# KiCad board jetson-nano-baseboard.kicad_pcb
date: 2024-03-26; rev: 1.6.3; company: Antmicro Ltd; note: www.antmicro.com
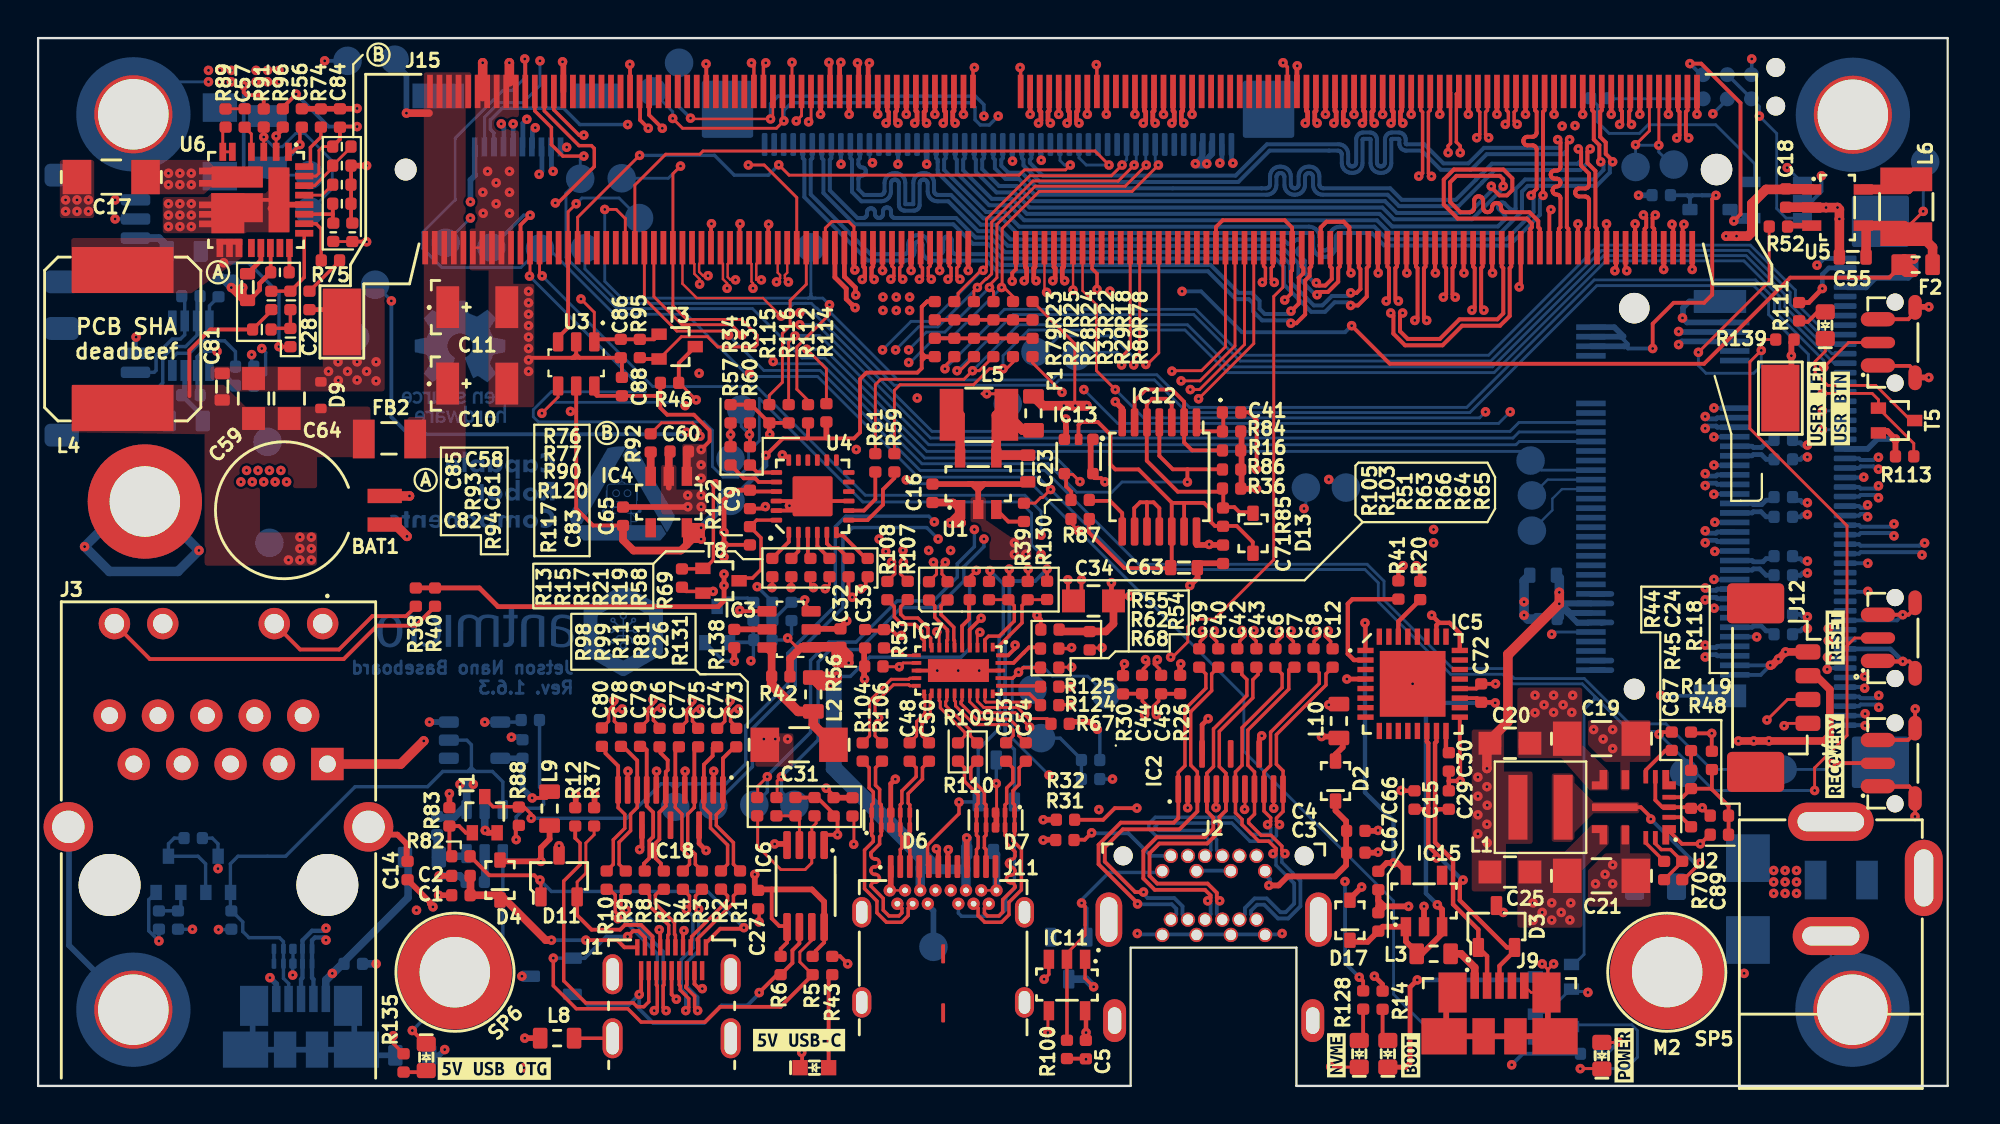
[diagram p0: board, top side]
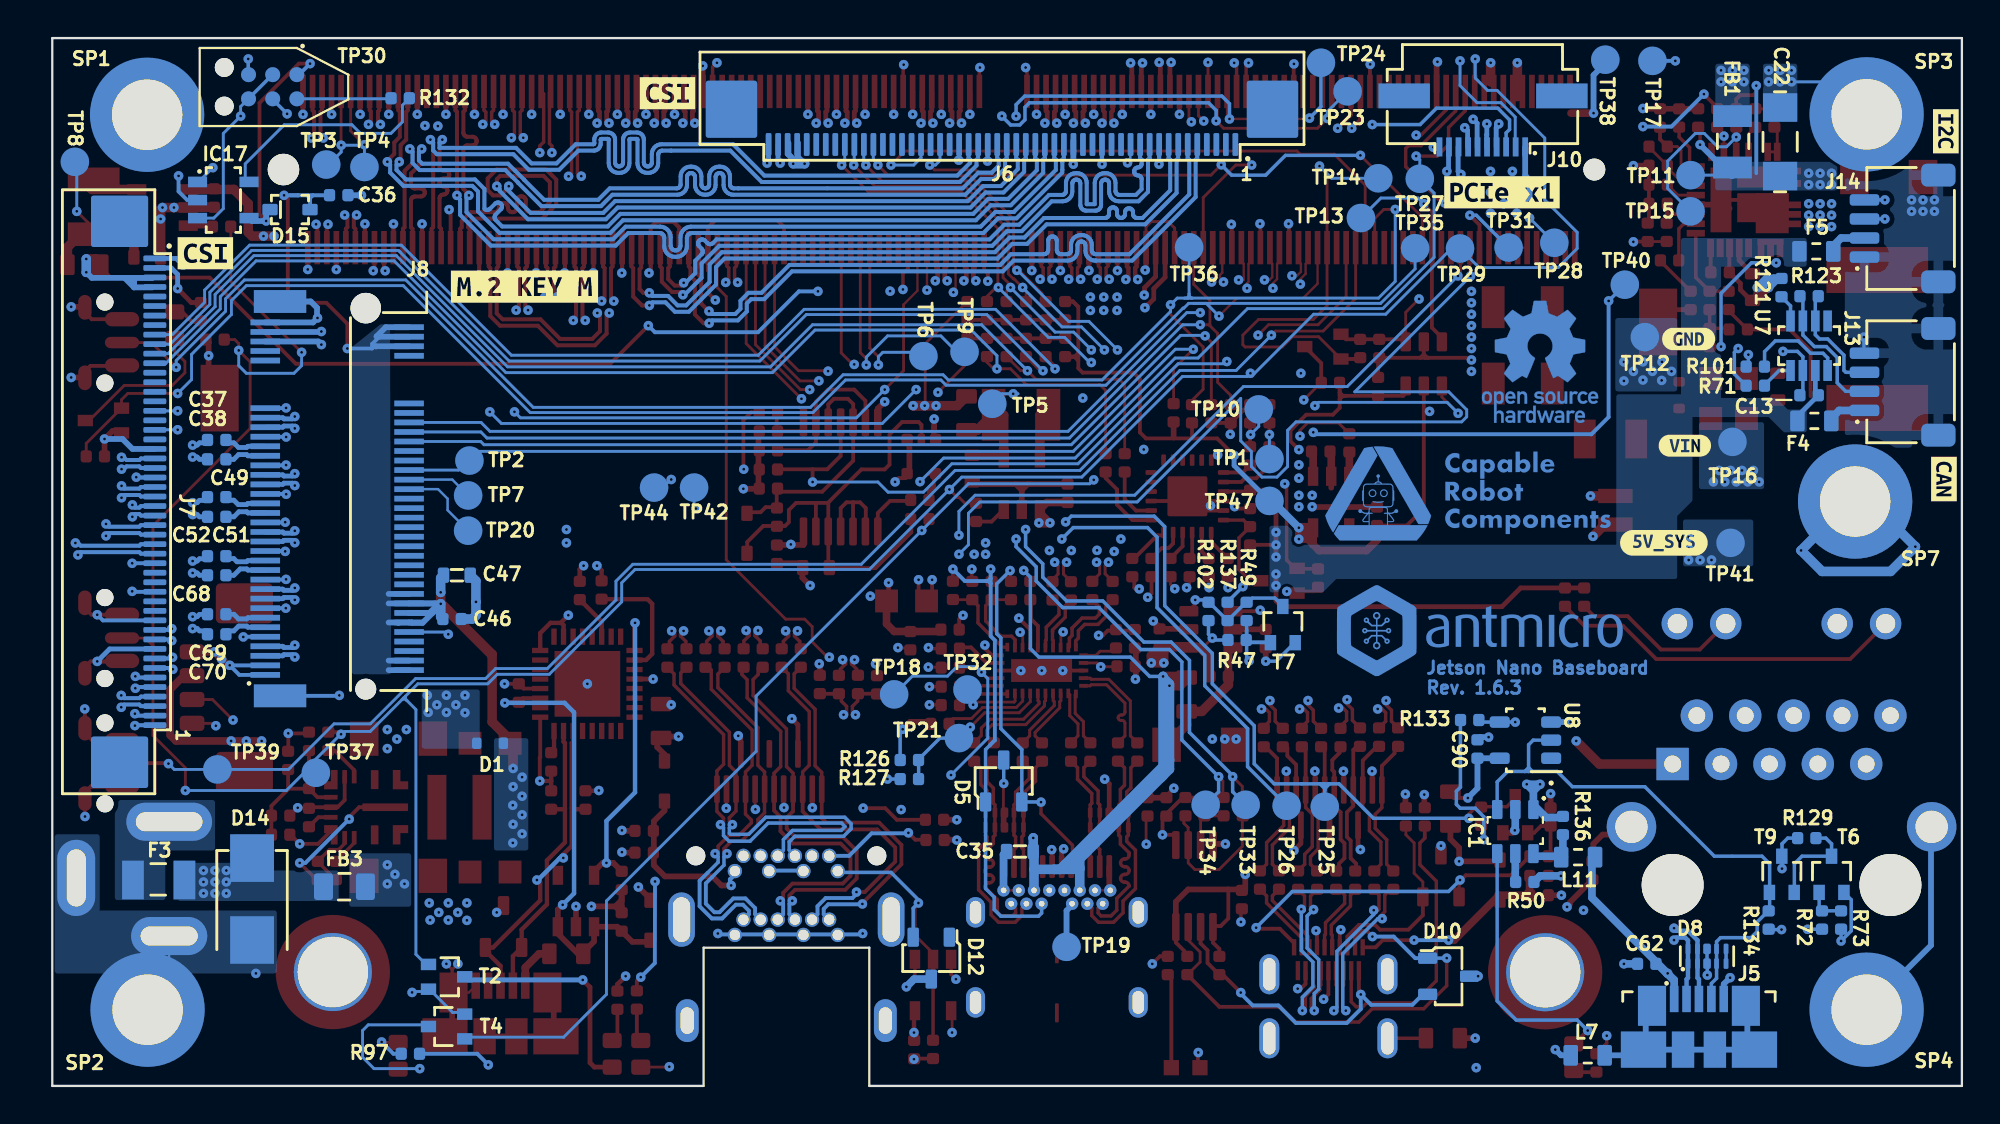
[diagram p1: board, bottom side, seen from below]

Outline 100.23 x 55 mm; copper layers: Top, In1_5V0_SYS_VIN.Cu, In2_SINGAL.Cu, In3_SIGNAL.Cu, In4_GND.Cu (plane), In5_3V3_SYS_SIGNAL.Cu, In6_GND.Cu (plane), Bottom. Coordinates in mm from the lower left corner of the outline.
Outline path: 0,55 100.23,55 100.23,0 66.04,0 66.04,7.26 57.34,7.26 57.34,0 0,0 0,55
Stack: Top 0.035mm / dielectric 0.1857mm FR4 er 4.5 / In1_5V0_SYS_VIN.Cu 0.035mm / dielectric 0.1857mm FR4 er 4.5 / In2_SINGAL.Cu 0.035mm / dielectric 0.1857mm FR4 er 4.5 / In3_SIGNAL.Cu 0.035mm / dielectric 0.1857mm FR4 er 4.5 / In4_GND.Cu 0.035mm / dielectric 0.1857mm FR4 er 4.5 / In5_3V3_SYS_SIGNAL.Cu 0.035mm / dielectric 0.1857mm FR4 er 4.5 / In6_GND.Cu 0.035mm / dielectric 0.1857mm FR4 er 4.5 / Bottom 0.035mm

## Placement (name value [footprint] x y rotation side)
BAT1  Battery_Holder_MS621FE-FL11E  [MS621FE-FL11E]  14.14 30.22 270 top
BOOT1  LED_G_0603_LG_L29K-G2J1-24-Z  [LED_0603_1608Metric_G]  70.84 1.68 90 top
C1  C_4u7_0402  [C_0402_1005Metric]  22.19 10.01 180 top
C2  C_4u7_0402  [C_0402_1005Metric]  22.19 11.02 180 top
C3  C_4u7_0402  [C_0402_1005Metric]  69.16 12.24 0 top
C4  C_4u7_0402  [C_0402_1005Metric]  69.16 13.39 0 top
C5  C_100n_0402  [C_0402_1005Metric]  54.99 1.91 270 top
C6  C_100n_0402  [C_0402_1005Metric]  64.94 22.46 270 top
C7  C_100n_0402  [C_0402_1005Metric]  65.94 22.46 270 top
C8  C_100n_0402  [C_0402_1005Metric]  66.94 22.46 270 top
C9  C_100n_0402  [C_0402_1005Metric]  37.36 30.78 270 top
C10  C_Pol_330u_6.3V_KEMET-T520-B  [C_Pol_EIA-B]  23.05 36.87 0 top
C11  C_Pol_330u_6.3V_KEMET-T520-B  [C_Pol_EIA-B]  23.05 40.88 0 top
C12  C_100n_0402  [C_0402_1005Metric]  67.94 22.46 270 top
C13  C_100n_0402  [C_0402_1005Metric]  8.02 36.25 0 bottom
C14  C_100p_0402  [C_0402_1005Metric]  19.39 11.31 270 top
C15  C_47p_0402  [C_0402_1005Metric]  72.24 15.01 90 top
C16  C_2u2_0402  [C_0402_1005Metric]  46.94 31.11 90 top
C17  C_10u_1206_50V  [C_1206_3216Metric]  3.84 47.71 180 top
C18  C_2u2_0402  [C_0402_1005Metric]  91.74 46.61 270 top
C19  C_10u_1206_50V  [C_1206_3216Metric]  82.06 18.23 180 top
C20  C_47u_0805  [C_0805_2012Metric]  77.25 17.99 0 top
C21  C_10u_1206_50V  [C_1206_3216Metric]  82.06 11.03 180 top
C22  C_10u_1206_50V  [C_1206_3216Metric]  9.54 49.56 90 bottom
C23  C_10u_0603  [C_0603_1608Metric]  51.94 32.41 270 top
C24  C_6p_0402  [C_0402_1005Metric]  86.76 18.09 270 top  (not fitted)
C25  C_10u_0805  [C_0805_2012Metric]  77.25 11.23 0 top
C26  C_100n_0402  [C_0402_1005Metric]  41.75 14.65 90 top
C27  C_100n_0402  [C_0402_1005Metric]  37.79 9.78 270 top
C28  C_270p_25V_0402  [C_0402_1005Metric]  14.24 41.23 270 top  (not fitted)
C29  C_47p_0402  [C_0402_1005Metric]  74.04 15.01 90 top
C30  C_100n_0402  [C_0402_1005Metric]  74.04 17.01 270 top
C31  C_100u_1206  [C_1206_3216Metric]  39.94 17.91 180 top
C32  C_10u_0402  [C_0402_1005Metric]  42.11 23.51 90 top
C33  C_100n_0402  [C_0402_1005Metric]  43.41 23.47 270 top
C34  C_47u_0805  [C_0805_2012Metric]  55.39 25.46 180 top
C35  C_10u_0603  [C_0603_1608Metric]  49.44 12.3 0 bottom
C36  C_100n_0402  [C_0402_1005Metric]  85.19 46.76 180 bottom
C37  C_100n_0402  [C_0402_1005Metric]  91.6 33.91 0 bottom
C38  C_100n_0402  [C_0402_1005Metric]  91.6 32.89 0 bottom
C39  C_100n_0402  [C_0402_1005Metric]  60.94 22.46 270 top
C40  C_100n_0402  [C_0402_1005Metric]  61.94 22.46 270 top
C41  C_47n_0402  [C_0402_1005Metric]  62.64 35.36 0 top
C42  C_100n_0402  [C_0402_1005Metric]  62.94 22.46 270 top
C43  C_100n_0402  [C_0402_1005Metric]  63.94 22.46 270 top
C44  C_100n_0402  [C_0402_1005Metric]  57.94 21.07 270 top
C45  C_100n_0402  [C_0402_1005Metric]  58.94 21.07 270 top
C46  C_100n_0402  [C_0402_1005Metric]  79.24 24.51 180 bottom
C47  C_10u_0603  [C_0603_1608Metric]  78.99 26.81 180 bottom
C48  C_100n_0402  [C_0402_1005Metric]  45.74 17.53 270 top
C49  C_100n_0402  [C_0402_1005Metric]  91.6 30.91 0 bottom
C50  C_100n_0402  [C_0402_1005Metric]  46.76 17.53 270 top
C51  C_100n_0402  [C_0402_1005Metric]  91.6 29.87 0 bottom
C52  C_100n_0402  [C_0402_1005Metric]  91.6 27.81 0 bottom
C53  C_100n_0402  [C_0402_1005Metric]  50.81 17.53 270 top
C54  C_100n_0402  [C_0402_1005Metric]  51.84 17.53 270 top
C55  C_10u_0603  [C_0603_1608Metric]  95.24 43.51 180 top
C56  C_100n_50V_0402  [C_0402_1005Metric]  13.84 50.81 90 top
C57  C_100n_0402  [C_0402_1005Metric]  10.84 50.81 270 top
C58  C_33n_0402  [C_0402_1005Metric]  12.69 42.71 180 top
C59  C_47u_0805  [C_0805_2012Metric]  11.31 36.08 90 top
C60  C_2u2_0402  [C_0402_1005Metric]  33.65 33.3 180 top
C61  C_1n2_50V_0402  [C_0402_1005Metric]  13.24 41.23 270 top  (not fitted)
C62  C_4u7_0402  [C_0402_1005Metric]  16.54 6.41 0 bottom
C63  C_10u_0603  [C_0603_1608Metric]  60.14 27.21 0 top
C64  C_47u_0805  [C_0805_2012Metric]  13.18 36.08 90 top
C65  C_1u_0402  [C_0402_1005Metric]  30.7 29.9 90 top
C66  C_1u_0402  [C_0402_1005Metric]  70.34 10.78 270 top
C67  C_2u2_0402  [C_0402_1005Metric]  70.34 8.61 90 top
C68  C_100n_0402  [C_0402_1005Metric]  91.6 26.8 0 bottom
C69  C_100n_0402  [C_0402_1005Metric]  91.6 24.76 0 bottom
C70  C_100n_0402  [C_0402_1005Metric]  91.6 23.71 0 bottom
C71  C_100n_0402  [C_0402_1005Metric]  62.19 27.91 270 top
C72  C_100n_0402  [C_0402_1005Metric]  75.74 20.62 90 top
C73  C_100n_0402  [C_0402_1005Metric]  36.64 18.28 270 top
C74  C_100n_0402  [C_0402_1005Metric]  35.64 18.28 270 top
C75  C_100n_0402  [C_0402_1005Metric]  34.64 18.28 270 top
C76  C_100n_0402  [C_0402_1005Metric]  32.62 18.28 270 top
C77  C_100n_0402  [C_0402_1005Metric]  33.63 18.28 270 top
C78  C_100n_0402  [C_0402_1005Metric]  30.59 18.31 270 top
C79  C_100n_0402  [C_0402_1005Metric]  31.59 18.31 270 top
C80  C_100n_0402  [C_0402_1005Metric]  29.59 18.31 270 top
C81  C_10u_0603  [C_0603_1608Metric]  9.66 36.71 90 top
C82  C_1n2_50V_0402  [C_0402_1005Metric]  11.74 39.71 180 top  (not fitted)
C83  C_100n_0402  [C_0402_1005Metric]  16.49 44.81 90 top
C84  C_1u_0402  [C_0402_1005Metric]  15.84 50.81 90 top
C85  C_4u7_0603  [C_0603_1608Metric]  10.99 41.93 270 top
C86  C_100n_0402  [C_0402_1005Metric]  30.58 38.71 270 top
C87  C_1u_0402  [C_0402_1005Metric]  86.76 14.09 90 top
C88  C_100n_0402  [C_0402_1005Metric]  30.64 36.71 90 top
C89  C_100n_0402  [C_0402_1005Metric]  86.29 11.31 90 top
C90  C_100n_0402  [C_0402_1005Metric]  25.42 17.68 90 bottom
D1  ESD5B5_0ST1G  [SOD-523_NP]  77.25 17.99 180 bottom
D2  1N4148WS  [D_SOD-323F]  68.09 16 90 top
D3  PESD2USB5UV-TR  [SOT-23-3]  76.54 8.37 90 top
D4  1N4148WS  [D_SOD-323F]  24.24 10.81 90 top
D5  PESD2USB5UV-TR  [SOT-23-3]  50.29 16.01 90 bottom
D6  TPD4E05U06QDQARQ1  [USON-10_2.5x1mm_P0.5mm]  44.75 13.96 90 top
D7  TPD4E05U06QDQARQ1  [USON-10_2.5x1mm_P0.5mm]  50.25 13.96 270 top
D8  TPD4E05U06QDQARQ1  [USON-10_2.5x1mm_P0.5mm]  13.38 6.81 90 bottom
D9  ESD5B5_0ST1G  [SOD-523_NP]  14.84 36.26 270 top
D10  PESD2USB5UV-TR  [SOT-23-3]  26.94 5.76 180 bottom
D11  PESD2USB5UV-TR  [SOT-23-3]  27.34 11.02 90 top
D12  PESD2USB5UV-TR  [SOT-23-3]  54.09 6.71 270 bottom
D13  1N4148WS  [D_SOD-323F]  63.77 29.01 270 top
D14  SMBJ33A  [D_SMB]  89.74 9.81 270 bottom
D15  1N4148WS  [D_SOD-323F]  87.75 46 180 bottom
D17  1N4148WS  [D_SOD-323F]  68.85 8.7 90 top
F1  F_1.25A_0603  [F_0603_1608Metric]  52.24 35.31 90 top
F2  F_1.25A_0603  [F_0603_1608Metric]  98.54 43.11 180 top
F3  F_12A_1206  [F_1206_3216Metric]  94.64 10.81 180 bottom
F4  F_1.25A_0603  [F_0603_1608Metric]  7.74 34.91 180 bottom
F5  F_1.25A_0603  [F_0603_1608Metric]  7.64 43.81 180 bottom
FB1  FB_10Z_10A_WE-MPSB_1206  [FB_1206_3216Metric]  12.04 49.56 270 bottom
FB2  FB_10Z_10A_WE-MPSB_1206  [FB_1206_3216Metric]  18.44 33.96 0 top
FB3  FB_180Z_3.1A_WE-MPSB_0805  [FB_0805_2012Metric]  84.89 10.46 180 bottom
IC1  NCP380LSNAJAAT1G  [SOT-23-6]  23.44 13.41 0 bottom
IC2  TPD8S009DSMR  [R-PDSO-N15]  62.59 16.53 90 top
IC3  NCP380LSNAJAAT1G  [SOT-23-6]  39.47 23.97 90 top
IC4  TPS7A0518P_SOT23-5  [SOT-23-5]  33.1 30.65 270 top
IC5  FT232R_QFN  [QFN-32-1EP_5x5mm]  72.16 21.15 0 top
IC6  PCA9517ADP  [TSSOP-8_3x3mm_P0.65mm]  40.29 10.49 270 top
IC7  HD3SS3220RNH  [WQFN-30-1EP_4.6x2.6mm_P0.4mm]  48.29 21.8 270 top
IC11  SN74LV1T125DBVR  [SOT-23-5]  54 5.3 270 top
IC12  74HC00_TSSOP  [TSSOP-14_4.4x5mm_P0.65mm]  58.85 31.97 270 top
IC13  SN74LVC1G126_SC-70  [SC-70-5]  54.61 33.05 180 top
IC15  TPS7A0518P_SOT23-5  [SOT-23-5]  72.74 9.71 90 top
IC17  AT24CS01_SOT23  [SOT-23-5]  91.25 46.5 180 bottom
IC18  TPD8S009DSMR  [R-PDSO-N15]  33.19 14.59 270 top
J1  HDMI-Micro-D_Molex_467561001  [HDMI-Micro-D_Receptacle_Molex_467651001]  33.25 3.8 0 top
J2  DisplayPort-Mini_TE_2129320-3  [DisplayPort-Mini_Receptacle_TE_2129320-3]  59 7.93 0 top
J3  -  [RJ45_Bel_SI-51005-F]  15.18 16.9 0 top
J4  -  [BarrelJack_Pin2mm_MJ-179PH]  94.09 13.87 270 top
J5  USB-Micro-B_Molex_473460001  [USB-Micro-B_Receptacle_Molex_473460001]  13.8 2.19 180 bottom
J6  Conn_FFC_WE_68715014522  [Conn_FFC_WE_68715014x22]  50.38 51.57 0 bottom
J7  Conn_FFC_WE_68715014022  [Conn_FFC_WE_68715014x22]  96.99 31.18 270 bottom
J8  Bus_M.2_MDT580M01001  [Bus_M.2_Socket_Key_M_Amphenol_MDT580M01001]  85.2 30.83 90 bottom
J9  USB-Micro-B_Molex_473460001  [USB-Micro-B_Receptacle_Molex_473460001]  76.7 2.89 0 top
J10  -  [Conn_FFC_Molex_5051101097]  25.16 51.86 0 bottom
J11  USB-C_WE_632723300011  [USB-C_Receptacle_WE_632723300011]  47.5 5.88 0 top
J12  Molex_PicoBlade_1x4_0533980471  [Conn_Molex_PicoBlade_1x4_0533980471]  91.14 20.91 270 top
J13  JST_SH_1x4_SM04B-SRSS-TB-LF-SN  [Conn_JST_SH_1x4_SM04B-SRSS-TB-LF-SN]  2.99 36.96 90 bottom
J14  JST_SH_1x4_SM04B-SRSS-TB-LF-SN  [Conn_JST_SH_1x4_SM04B-SRSS-TB-LF-SN]  2.99 45.01 90 bottom
J15  Bus_DDR4_SODIMM_CUSTOM_Jetson-Nano-H9.2mm-socket  [TE_2309413]  53.7 40.17 0 top
kibuzzard-63D93AC1  G***  [kibuzzard-63D93AC1]  92.19 43.71 180 bottom
kibuzzard-63D93AC1#2  G***  [kibuzzard-63D93AC1]  67.94 52.11 180 bottom
kibuzzard-63D93ADB  G***  [kibuzzard-63D93ADB]  24.14 46.91 180 bottom
kibuzzard-63D93AF6  G***  [kibuzzard-63D93AF6]  0.94 31.86 270 bottom
kibuzzard-63D93B6A  G***  [kibuzzard-63D93B6A]  14.54 33.61 180 bottom
kibuzzard-63D93B07  G***  [kibuzzard-63D93B07]  0.84 50.11 270 bottom
kibuzzard-63D93B47  G***  [kibuzzard-63D93B47]  14.34 39.21 180 bottom
kibuzzard-63D93B77  G***  [kibuzzard-63D93B77]  15.64 28.51 180 bottom
kibuzzard-63D93BB4  G***  [kibuzzard-63D93BB4]  75.44 41.96 180 bottom
kibuzzard-63D93C4B  G***  [kibuzzard-63D93C4B]  39.94 2.41 0 top
kibuzzard-63D93C7A  G***  [kibuzzard-63D93C7A]  68.14 1.61 90 top
kibuzzard-63D93C36  G***  [kibuzzard-63D93C36]  23.94 0.91 0 top
kibuzzard-63D93C97  G***  [kibuzzard-63D93C97]  72.04 1.61 90 top
kibuzzard-63D93CC5  G***  [kibuzzard-63D93CC5]  83.24 1.61 90 top
kibuzzard-63D93CF4  G***  [kibuzzard-63D93CF4]  93.34 35.81 90 top
kibuzzard-63D93D1C  G***  [kibuzzard-63D93D1C]  94.32 23.53 90 top
kibuzzard-63D93D10  G***  [kibuzzard-63D93D10]  94.59 35.56 90 top
kibuzzard-63D93D33  G***  [kibuzzard-63D93D33]  94.3 17.31 90 top
L1  L_2u2_8A_Coilcraft-XFL4020  [L_Coilcraft-XFL4020]  78.86 14.63 180 top
L2  FB_120Z_3A_Murata-BLM18SG_0603  [FB_0603_1608Metric]  40.69 20.55 90 top
L3  FB_120Z_3A_Murata-BLM18SG_0603  [FB_0603_1608Metric]  73.25 6.93 0 top
L4  L_3u3_9.2A_Vishay-IHLP-3232DZ-01  [L_Vishay-IHLP3232DZ]  4.44 39.21 270 top
L5  L_2u2_1.6A_1210  [L_1210_3225Metric]  49.38 35.23 0 top
L6  L_2u2_1.6A_1210  [L_1210_3225Metric]  98.05 46.15 270 top
L7  FB_120Z_3A_Murata-BLM18SG_0603  [FB_0603_1608Metric]  19.64 1.61 0 bottom
L8  FB_120Z_3A_Murata-BLM18SG_0603  [FB_0603_1608Metric]  27.24 2.51 0 top
L9  FB_120Z_3A_Murata-BLM18SG_0603  [FB_0603_1608Metric]  26.84 14.55 270 top
L10  FB_120Z_3A_Murata-BLM18SG_0603  [FB_0603_1608Metric]  68.27 19.15 270 top
L11  FB_120Z_3A_Murata-BLM18SG_0603  [FB_0603_1608Metric]  20.14 12.01 180 bottom
LED1  LED_G_0603_LG_L29K-G2J1-24-Z  [LED_0603_1608Metric_G#2]  40.74 0.96 180 top
LED2  LED_G_0603_LG_L29K-G2J1-24-Z  [LED_0603_1608Metric_G]  20.37 1.51 270 top
M2  Jetson-Nano  [Module_Jetson-Nano]  85.48 5.97 0 top
N1  antmicro_logo  [antmicro-logo]  24.85 23.83 180 bottom
N2  oshw_logo  [oshw-logo]  22.14 38.01 180 bottom
N3  crc_logo  [CRC_logo_15mm]  26.04 31.11 180 bottom
NVME1  LED_G_0603_LG_L29K-G2J1-24-Z  [LED_0603_1608Metric_G]  69.34 1.68 90 top
PWR1  LED_G_0603_LG_L29K-G2J1-24-Z  [LED_0603_1608Metric_G]  82.07 1.58 90 top
R1  R_5R6_0402  [R_0402_1005Metric]  36.84 10.81 270 top
R2  R_5R6_0402  [R_0402_1005Metric]  35.84 10.81 270 top
R3  R_5R6_0402  [R_0402_1005Metric]  34.84 10.8 270 top
R4  R_5R6_0402  [R_0402_1005Metric]  33.84 10.8 270 top
R5  R_2k_0402  [R_0402_1005Metric]  40.65 6.32 270 top
R6  R_2k_0402  [R_0402_1005Metric]  38.97 6.32 270 top
R7  R_5R6_0402  [R_0402_1005Metric]  32.84 10.8 270 top
R8  R_5R6_0402  [R_0402_1005Metric]  31.84 10.8 270 top
R9  R_5R6_0402  [R_0402_1005Metric]  30.84 10.8 270 top
R10  R_5R6_0402  [R_0402_1005Metric]  29.84 10.8 270 top
R11  R_2k_0402  [R_0402_1005Metric]  39.75 14.66 270 top
R12  R_0R_0402  [R_0402_1005Metric]  28.19 14.12 90 top  (not fitted)
R13  R_0R_0402  [R_0402_1005Metric]  38.54 27.21 270 top
R14  R_470R_0402  [R_0402_1005Metric]  70.57 4.5 270 top
R15  R_0R_0402  [R_0402_1005Metric]  39.54 27.21 270 top
R16  R_1k_0402  [R_0402_1005Metric]  62.64 33.36 180 top
R17  R_0R_0402  [R_0402_1005Metric]  40.54 27.21 270 top
R18  R_2k_0402  [R_0402_1005Metric]  51.17 40.69 90 top
R19  R_0R_0402  [R_0402_1005Metric]  42.54 27.21 270 top
R20  R_22R_0402  [R_0402_1005Metric]  72.54 26.01 270 top
R21  R_0R_0402  [R_0402_1005Metric]  41.54 27.21 270 top
R22  R_2k_0402  [R_0402_1005Metric]  50.14 40.69 90 top
R23  R_0R_0402  [R_0402_1005Metric]  47.06 40.69 270 top
R24  R_2k_0402  [R_0402_1005Metric]  49.12 40.69 90 top
R25  R_2k_0402  [R_0402_1005Metric]  48.09 40.69 90 top
R26  R_100k_0402  [R_0402_1005Metric]  59.94 21.07 90 top
R27  R_2k_0402  [R_0402_1005Metric]  48.09 38.76 270 top
R28  R_2k_0402  [R_0402_1005Metric]  49.12 38.76 270 top
R29  R_2k_0402  [R_0402_1005Metric]  51.17 38.76 270 top
R30  R_100k_0402  [R_0402_1005Metric]  56.94 21.05 90 top
R31  R_1M_0402  [R_0402_1005Metric]  53.89 12.91 180 top
R32  R_1M_0402  [R_0402_1005Metric]  53.92 13.97 180 top
R33  R_2k_0402  [R_0402_1005Metric]  50.14 38.76 270 top
R34  R_2k_0402  [R_0402_1005Metric]  36.34 35.28 270 top
R35  R_2k_0402  [R_0402_1005Metric]  37.36 35.28 270 top
R36  R_1k_0402  [R_0402_1005Metric]  62.64 31.36 180 top
R37  R_2k_0402  [R_0402_1005Metric]  29.18 14.12 90 top  (not fitted)
R38  R_220R_0402  [R_0402_1005Metric]  19.82 25.66 270 top
R39  R_10k_0402  [R_0402_1005Metric]  51.74 30.11 270 top
R40  R_220R_0402  [R_0402_1005Metric]  20.83 25.66 270 top
R41  R_22R_0402  [R_0402_1005Metric]  71.4 26.03 270 top
R42  R_0R_0402  [R_0402_1005Metric]  38.98 21.5 180 top  (not fitted)
R43  R_470R_0402  [R_0402_1005Metric]  41.68 6.32 270 top
R44  R_10k_0402  [R_0402_1005Metric]  85.74 18.09 270 top
R45  R_1k_0402  [R_0402_1005Metric]  86.76 16.09 270 top  (not fitted)
R46  R_10k_0402  [R_0402_1005Metric]  33.14 36.91 0 top
R47  R_100k_0402  [R_0402_1005Metric]  38.04 23.41 180 bottom
R48  R_0R_0402  [R_0402_1005Metric]  88.24 13.19 0 top
R49  R_0R_0402  [R_0402_1005Metric]  37.54 24.91 90 bottom
R50  R_10k_0402  [R_0402_1005Metric]  22.94 10.71 180 bottom
R51  R_909k_0402  [R_0402_1005Metric]  48.89 26 90 top
R52  R_10k_0402  [R_0402_1005Metric]  91.34 45.11 0 top
R53  R_200k_0402  [R_0402_1005Metric]  44.4 23.47 270 top
R54  R_10k_0402  [R_0402_1005Metric]  55.19 23.37 270 top  (not fitted)
R55  R_2k_0402  [R_0402_1005Metric]  53.11 23.95 180 top
R56  R_0R_0402  [R_0402_1005Metric]  43.86 22.02 0 top
R57  R_0R_0402  [R_0402_1005Metric]  36.34 33.07 270 top
R58  R_0R_0402  [R_0402_1005Metric]  43.54 27.21 270 top
R59  R_0R_0402  [R_0402_1005Metric]  44.94 32.71 90 top
R60  R_0R_0402  [R_0402_1005Metric]  37.36 33.07 270 top
R61  R_0R_0402  [R_0402_1005Metric]  43.94 32.71 90 top
R62  R_0R_0402  [R_0402_1005Metric]  53.09 22.96 180 top
R63  R_0R_0402  [R_0402_1005Metric]  49.91 26 90 top
R64  R_0R_0402  [R_0402_1005Metric]  51.94 26 90 top  (not fitted)
R65  R_0R_0402  [R_0402_1005Metric]  52.96 26.01 90 top
R66  R_0R_0402  [R_0402_1005Metric]  50.92 26 90 top  (not fitted)
R67  R_200k_0402  [R_0402_1005Metric]  53.64 19.01 180 top
R68  R_0R_0402  [R_0402_1005Metric]  53.09 21.96 180 top  (not fitted)
R69  R_100k_0402  [R_0402_1005Metric]  33.79 26.66 270 top
R70  R_100R_0402  [R_0402_1005Metric]  85.34 11.31 270 top
R71  R_0R_0402  [R_0402_1005Metric]  10.84 36.76 180 bottom
R72  R_10k_0402  [R_0402_1005Metric]  7.34 8.71 270 bottom
R73  R_2k_0402  [R_0402_1005Metric]  6.34 8.71 270 bottom
R74  R_2k_0402  [R_0402_1005Metric]  14.84 50.81 90 top
R75  R_316k_0402  [R_0402_1005Metric]  15.34 43.33 0 top  (not fitted)
R76  R_0R_0402  [R_0402_1005Metric]  15.94 49.31 0 top
R77  R_60k4_0402  [R_0402_1005Metric]  15.94 48.31 0 top  (not fitted)
R78  R_0R_0402  [R_0402_1005Metric]  52.19 40.69 270 top
R79  R_0R_0402  [R_0402_1005Metric]  47.06 38.76 90 top  (not fitted)
R80  R_0R_0402  [R_0402_1005Metric]  52.19 38.76 90 top
R81  R_2k_0402  [R_0402_1005Metric]  40.75 14.66 270 top
R82  R_0R_0402  [R_0402_1005Metric]  22.19 12.06 0 top
R83  R_2k_0402  [R_0402_1005Metric]  21.59 14.12 90 top
R84  R_200k_0402  [R_0402_1005Metric]  62.64 34.36 180 top
R85  R_470k_0402  [R_0402_1005Metric]  62.19 29.86 270 top
R86  R_200k_0402  [R_0402_1005Metric]  62.64 32.36 180 top
R87  R_1k_0402  [R_0402_1005Metric]  54.69 29.76 0 top  (not fitted)
R88  R_2k_0402  [R_0402_1005Metric]  25.23 14.16 90 top
R89  R_3R3_0402  [R_0402_1005Metric]  9.84 50.81 270 top
R90  R_26k7_0402  [R_0402_1005Metric]  15.94 47.31 0 top
R91  R_100k_0402  [R_0402_1005Metric]  11.84 50.81 90 top
R92  R_0R_0402  [R_0402_1005Metric]  32.15 33.75 270 top
R93  R_0R_0402  [R_0402_1005Metric]  12.24 41.23 270 top
R94  R_8k66_0402  [R_0402_1005Metric]  13.24 39.28 90 top  (not fitted)
R95  R_10k_0402  [R_0402_1005Metric]  31.58 38.71 270 top
R96  R_100k_0402  [R_0402_1005Metric]  12.84 50.81 90 top
R97  R_470R_0402  [R_0402_1005Metric]  81.43 1.69 0 bottom
R98  R_0R_0402  [R_0402_1005Metric]  37.74 14.66 270 top
R99  R_0R_0402  [R_0402_1005Metric]  38.75 14.66 270 top
R100  R_100k_0402  [R_0402_1005Metric]  54 1.92 270 top
R101  R_0R_0402  [R_0402_1005Metric]  10.84 37.76 180 bottom
R102  R_100k_0402  [R_0402_1005Metric]  39.54 24.91 90 bottom
R103  R_0R_0402  [R_0402_1005Metric]  47.73 25.99 270 top
R104  R_0R_0402  [R_0402_1005Metric]  43.28 17.53 270 top
R105  R_0R_0402  [R_0402_1005Metric]  46.76 25.98 270 top
R106  R_0R_0402  [R_0402_1005Metric]  44.29 17.53 270 top
R107  R_0R_0402  [R_0402_1005Metric]  45.64 26.01 270 top
R108  R_0R_0402  [R_0402_1005Metric]  44.57 26 270 top
R109  R_0R_0402  [R_0402_1005Metric]  48.28 17.53 270 top
R110  R_0R_0402  [R_0402_1005Metric]  49.29 17.53 270 top
R111  R_470R_0402  [R_0402_1005Metric]  92.43 40.64 270 top
R112  R_100k_0402  [R_0402_1005Metric]  40.41 35.28 90 top
R113  R_100k_0402  [R_0402_1005Metric]  97.96 33.05 0 top
R114  R_10k_0402  [R_0402_1005Metric]  41.37 35.33 90 top
R115  R_10k_0402  [R_0402_1005Metric]  38.38 35.28 90 top
R116  R_10k_0402  [R_0402_1005Metric]  39.39 35.28 90 top
R117  R_52k3_0402  [R_0402_1005Metric]  15.49 44.81 90 top
R118  R_100k_0402  [R_0402_1005Metric]  87.85 17.09 270 top  (not fitted)
R119  R_44k2_0402  [R_0402_1005Metric]  88.24 14.19 180 top  (not fitted)
R120  R_10k_0402  [R_0402_1005Metric]  15.94 46.31 0 top
R121  R_0R_0402  [R_0402_1005Metric]  9.47 41.9 90 bottom
R122  R_10k_0402  [R_0402_1005Metric]  37.36 28.88 90 top
R123  R_120R_0402  [R_0402_1005Metric]  8.02 41.45 180 bottom
R124  R_0R_0402  [R_0402_1005Metric]  53.09 19.99 180 top  (not fitted)
R125  R_0R_0402  [R_0402_1005Metric]  53.09 20.96 180 top  (not fitted)
R126  R_0R_0402  [R_0402_1005Metric]  55.24 17.11 180 bottom  (not fitted)
R127  R_0R_0402  [R_0402_1005Metric]  55.24 16.11 0 bottom  (not fitted)
R128  R_220R_0402  [R_0402_1005Metric]  69.55 4.51 270 top
R129  R_0R_0402  [R_0402_1005Metric]  8.14 13.01 180 bottom  (not fitted)
R130  R_0R_0402  [R_0402_1005Metric]  54.69 30.76 0 top  (not fitted)
R131  R_10k_0402  [R_0402_1005Metric]  42.74 14.65 90 top
R132  R_0R_0402  [R_0402_1005Metric]  81.97 51.84 180 bottom
R133  R_10k_0402  [R_0402_1005Metric]  25.83 19.21 180 bottom
R134  R_10k_0402  [R_0402_1005Metric]  10.14 8.71 90 bottom
R135  R_470R_0402  [R_0402_1005Metric]  19.18 1.21 270 top
R136  R_0R_0402  [R_0402_1005Metric]  20.94 13.67 270 bottom  (not fitted)
R137  R_10k_0402  [R_0402_1005Metric]  38.54 24.91 90 bottom  (not fitted)
R138  R_10k_0402  [R_0402_1005Metric]  36.54 23.48 270 top
R139  R_100k_0402  [R_0402_1005Metric]  91.68 39.18 0 top
REC1  -  [SW_TL3340AF160QG_SMD]  97.68 16.93 90 top
RST1  -  [SW_TL3340AF160QG_SMD]  97.68 23.51 90 top
SP1  -  [Spacer_Drill3.7mm_H6mm_9774060151R]  95.25 50.98 0 bottom
SP2  -  [Spacer_Drill3.7mm_H6mm_9774060151R]  95.23 4 0 bottom
SP3  -  [Spacer_Drill3.7mm_H6mm_9774060151R]  5 51 0 bottom
SP4  -  [Spacer_Drill3.7mm_H6mm_9774060151R]  5 4 0 bottom
SP5  -  [Spacer_Drill3.7mm_H6mm_9774060151R]  85.5 5.98 0 top
SP6  -  [Spacer_Drill3.7mm_H6mm_9774060151R]  21.87 5.97 0 top
SP7  -  [Spacer_Drill3.7mm_H4mm_9774040151R]  5.6 30.67 0 bottom
T1  BSS138PW  [SC70-3]  23.44 14.24 90 top
T2  BSS138PW  [SC70-3]  79.53 5.73 180 bottom
T3  BSS138PW  [SC70-3]  33.54 38.81 0 top
T4  BSS138PW  [SC70-3]  79.53 3.12 0 bottom
T5  BSS138PW  [SC70-3]  97.54 34.93 0 top